# Altium PCB Goldstrike1_Rev01 2014 06 02.PcbDoc (part 4 of 5) (continued)
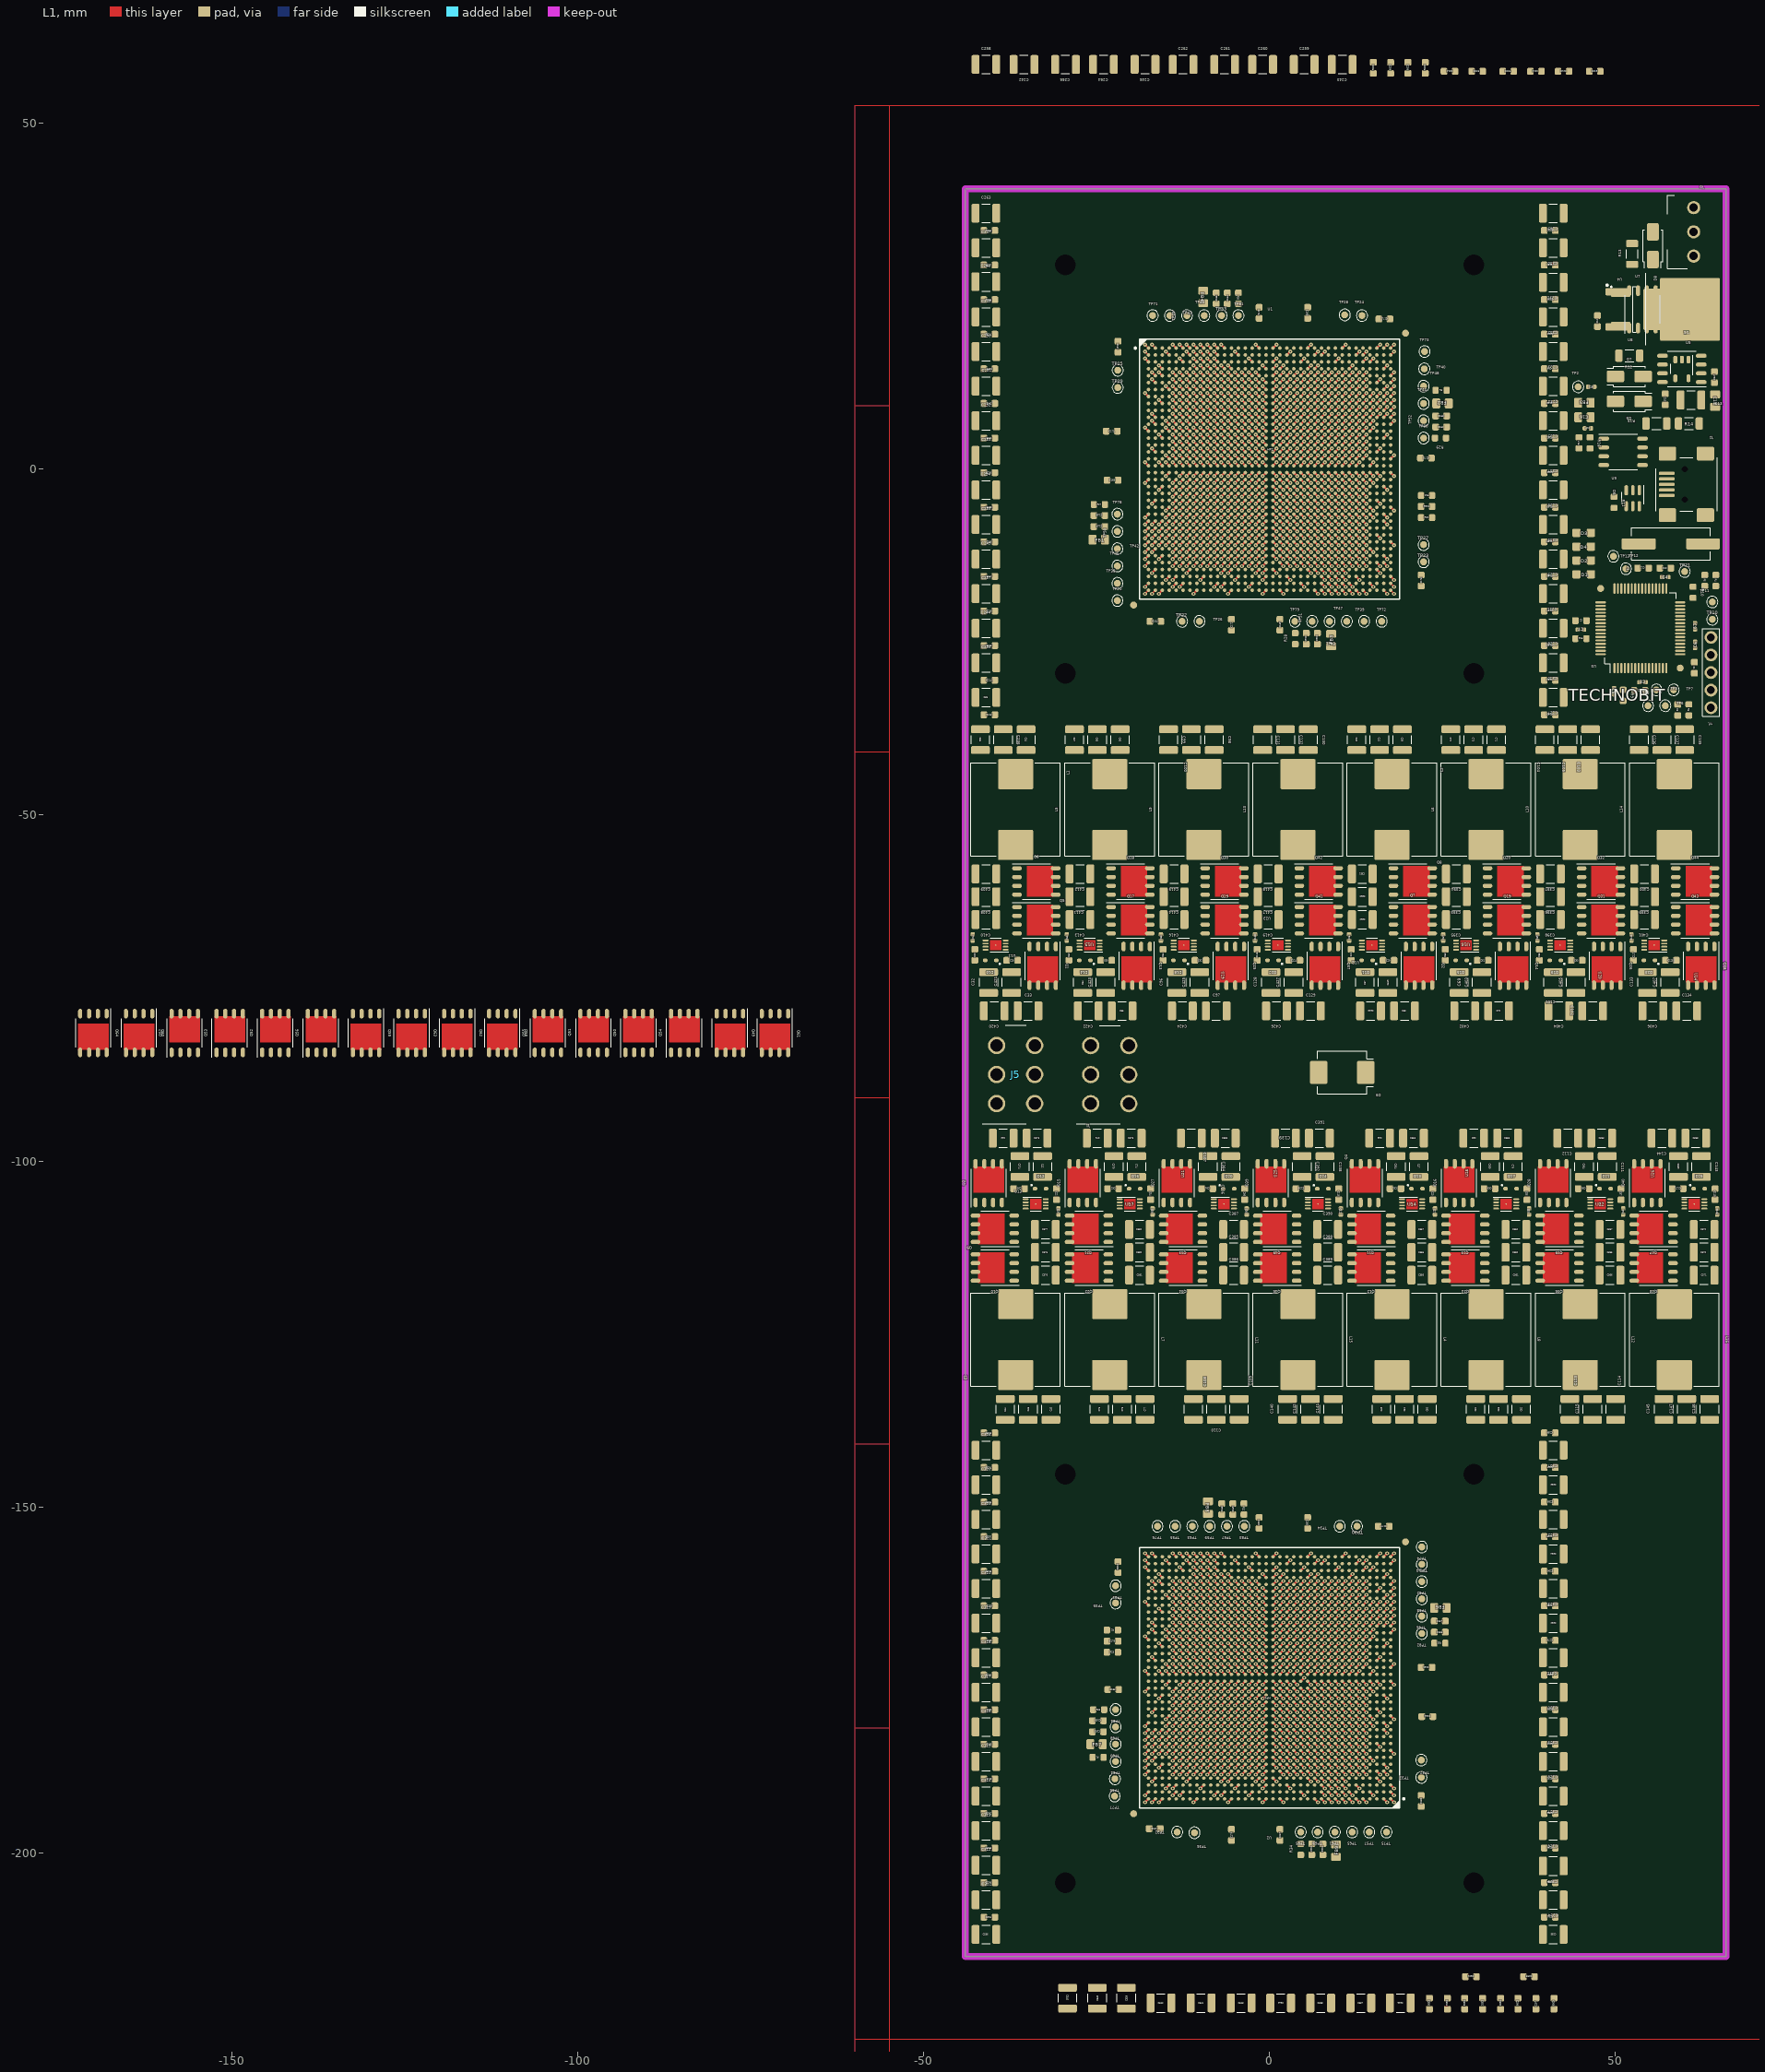
[diagram p0: L1 view]
## Nets (pads, with @x,y where several pads share a name; then routed paths per layer and width w, separated by ;. In a path a pad name is that pad's centre, name@x,y a point inside that pad or via, vN(x,y) a via of type N, cw(c..) or ccw(c..) an arc to the next point about the centre after c; other vN are vias at no path point) (continued)
  L1 w0.3: v1(-18,-192.7) U2.A36@-17.5,-192.2 ; v1(-18,-191.7) U2.B36@-17.5,-191.2 ; v1(-18,-183.7) U2.K36@-17.5,-183.2 ; v1(-18,-181.7) U2.M36@-17.5,-181.2 ; v1(-18,-173.7) U2.W36@-17.5,-174.2 ; v1(-18,-163.7) U2.AJ36@-17.5,-164.2 ; v1(-18,-157.7) U2.AR36@-17.5,-158.2 ; v1(-18,-156.7) U2.AT36@-17.5,-157.2 ; v1(-18,-9) U1.AG1@-17.5,-8.5 ; v1(-18,-7) U1.AE1@-17.5,-6.5 ; v1(-18,1) U1.V1@-17.5,0.5 ; v1(-18,11) U1.H1@-17.5,10.5 ; v1(-17,-192.7) U2.A35@-16.5,-192.2 ; v1(-17,-184.7) U2.J35@-16.5,-184.2 ; v1(-17,-182.7) U2.L35@-16.5,-182.2 ; v1(-17,-166.7) U2.AF35@-16.5,-167.2 ; v1(-17,-160.7) U2.AM35@-16.5,-161.2 ; v1(-17,-156.7) U2.AT35@-16.5,-157.2 ; v1(-17,-10) U1.AH2@-16.5,-9.5 ; v1(-17,-8) U1.AF2@-16.5,-7.5 ; v1(-17,8) U1.L2@-16.5,7.5 ; v1(-17,14) U1.E2@-16.5,13.5 ; v1(-16,-187.7) U2.F34@-15.5,-187.2 ; v1(-16,-177.7) U2.T34@-15.5,-177.2 ; v1(-16,-173.7) U2.W34@-15.5,-174.2 ; v1(-16,-169.7) U2.AC34@-15.5,-170.2 ; v1(-16,-159.7) U2.AN34@-15.5,-160.2 ; v1(-16,-13) U1.AL3@-15.5,-12.5 ; v1(-16,-3) U1.AA3@-15.5,-2.5 ; v1(-16,1) U1.V3@-15.5,0.5 ; v1(-16,5) U1.P3@-15.5,4.5 ; v1(-16,15) U1.D3@-15.5,14.5 ; v1(-15,-190.7) U2.C33@-14.5,-190.2 ; v1(-15,-180.7) U2.N33@-14.5,-180.2 ; v1(-15,-172.7) U2.Y33@-14.5,-173.2 ; v1(-15,-162.7) U2.AK33@-14.5,-163.2 ; v1(-15,-16) U1.AP4@-14.5,-15.5 ; v1(-15,-6) U1.AD4@-14.5,-5.5 ; v1(-15,2) U1.U4@-14.5,1.5 ; v1(-15,12) U1.G4@-14.5,11.5 ; v1(-14,-191.7) U2.B32@-13.5,-191.2 ; v1(-14,-187.7) U2.F32@-13.5,-187.2 ; v1(-14,-185.7) U2.H32@-13.5,-185.2 ; v1(-14,-183.7) U2.K32@-13.5,-183.2 ; v1(-14,-181.7) U2.M32@-13.5,-181.2 ; v1(-14,-179.7) U2.P32@-13.5,-179.2 ; v1(-14,-177.7) U2.T32@-13.5,-177.2 ; v1(-14,-176.7) U2.U32@-13.5,-176.2 ; v1(-14,-173.7) U2.W32@-13.5,-174.2 ; v1(-14,-171.7) U2.AA32@-13.5,-172.2 ; v1(-14,-169.7) U2.AC32@-13.5,-170.2 ; v1(-14,-167.7) U2.AE32@-13.5,-168.2 ; v1(-14,-165.7) U2.AG32@-13.5,-166.2 ; v1(-14,-163.7) U2.AJ32@-13.5,-164.2 ; v1(-14,-17) U1.AR5@-13.5,-16.5 ; v1(-14,-13) U1.AL5@-13.5,-12.5 ; v1(-14,-11) U1.AJ5@-13.5,-10.5 ; v1(-14,-9) U1.AG5@-13.5,-8.5 ; v1(-14,-7) U1.AE5@-13.5,-6.5 ; v1(-14,-5) U1.AC5@-13.5,-4.5 ; v1(-14,-3) U1.AA5@-13.5,-2.5 ; v1(-14,-2) U1.Y5@-13.5,-1.5 ; v1(-14,1) U1.V5@-13.5,0.5 ; v1(-14,3) U1.T5@-13.5,2.5 ; v1(-14,5) U1.P5@-13.5,4.5 ; v1(-14,7) U1.M5@-13.5,6.5 ; v1(-14,9) U1.K5@-13.5,8.5 ; v1(-14,11) U1.H5@-13.5,10.5 ; v1(-13,-186.7) U2.G31@-12.5,-186.2 ; v1(-13,-184.7) U2.J31@-12.5,-184.2 ; v1(-13,-182.7) U2.L31@-12.5,-182.2 ; v1(-13,-180.7) U2.N31@-12.5,-180.2 ; v1(-13,-178.7) U2.R31@-12.5,-178.2 ; v1(-13,-176.7) U2.U31@-12.5,-176.2 ; v1(-13,-172.7) U2.Y31@-12.5,-173.2 ; v1(-13,-170.7) U2.AB31@-12.5,-171.2 ; v1(-13,-168.7) U2.AD31@-12.5,-169.2 ; v1(-13,-166.7) U2.AF31@-12.5,-167.2 ; v1(-13,-164.7) U2.AH31@-12.5,-165.2 ; v1(-13,-162.7) U2.AK31@-12.5,-163.2 ; v1(-13,-160.7) U2.AM31@-12.5,-161.2 ; v1(-13,-158.7) U2.AP31@-12.5,-159.2 ; v1(-13,-12) U1.AK6@-12.5,-11.5 ; v1(-13,-10) U1.AH6@-12.5,-9.5 ; v1(-13,-8) U1.AF6@-12.5,-7.5 ; v1(-13,-6) U1.AD6@-12.5,-5.5 ; v1(-13,-4) U1.AB6@-12.5,-3.5 ; v1(-13,-2) U1.Y6@-12.5,-1.5 ; v1(-13,2) U1.U6@-12.5,1.5 ; v1(-13,4) U1.R6@-12.5,3.5 ; v1(-13,6) U1.N6@-12.5,5.5 ; v1(-13,8) U1.L6@-12.5,7.5 ; v1(-13,10) U1.J6@-12.5,9.5 ; v1(-13,12) U1.G6@-12.5,11.5 ; v1(-13,14) U1.E6@-12.5,13.5 ; v1(-13,16) U1.C6@-12.5,15.5 ; v1(-12,-189.7) U2.D30@-11.5,-189.2 ; v1(-12,-187.7) U2.F30@-11.5,-187.2 ; v1(-12,-185.7) U2.H30@-11.5,-185.2 ; v1(-12,-183.7) U2.K30@-11.5,-183.2 ; v1(-12,-181.7) U2.M30@-11.5,-181.2 ; v1(-12,-179.7) U2.P30@-11.5,-179.2 ; v1(-12,-177.7) U2.T30@-11.5,-177.2 ; v1(-12,-175.7) U2.V30@-11.5,-175.2 ; v1(-12,-173.7) U2.W30@-11.5,-174.2 ; v1(-12,-171.7) U2.AA30@-11.5,-172.2 ; v1(-12,-169.7) U2.AC30@-11.5,-170.2 ; v1(-12,-167.7) U2.AE30@-11.5,-168.2 ; v1(-12,-165.7) U2.AG30@-11.5,-166.2 ; v1(-12,-163.7) U2.AJ30@-11.5,-164.2 ; v1(-12,-161.7) U2.AL30@-11.5,-162.2 ; v1(-12,-15) U1.AN7@-11.5,-14.5 ; v1(-12,-13) U1.AL7@-11.5,-12.5 ; v1(-12,-11) U1.AJ7@-11.5,-10.5 ; v1(-12,-9) U1.AG7@-11.5,-8.5 ; v1(-12,-7) U1.AE7@-11.5,-6.5 ; v1(-12,-5) U1.AC7@-11.5,-4.5 ; v1(-12,-3) U1.AA7@-11.5,-2.5 ; v1(-12,-1) U1.W7@-11.5,-0.5 ; v1(-12,1) U1.V7@-11.5,0.5 ; v1(-12,3) U1.T7@-11.5,2.5 ; v1(-12,5) U1.P7@-11.5,4.5 ; v1(-12,7) U1.M7@-11.5,6.5 ; v1(-12,9) U1.K7@-11.5,8.5 ; v1(-12,11) U1.H7@-11.5,10.5 ; v1(-12,13) U1.F7@-11.5,12.5 ; v1(-11,-192.7) U2.A29@-10.5,-192.2 ; v1(-11,-188.7) U2.E29@-10.5,-188.2 ; v1(-11,-186.7) U2.G29@-10.5,-186.2 ; v1(-11,-184.7) U2.J29@-10.5,-184.2 ; v1(-11,-182.7) U2.L29@-10.5,-182.2 ; v1(-11,-180.7) U2.N29@-10.5,-180.2 ; v1(-11,-178.7) U2.R29@-10.5,-178.2 ; v1(-11,-176.7) U2.U29@-10.5,-176.2 ; v1(-11,-172.7) U2.Y29@-10.5,-173.2 ; v1(-11,-170.7) U2.AB29@-10.5,-171.2 ; v1(-11,-168.7) U2.AD29@-10.5,-169.2 ; v1(-11,-166.7) U2.AF29@-10.5,-167.2 ; v1(-11,-164.7) U2.AH29@-10.5,-165.2 ; v1(-11,-162.7) U2.AK29@-10.5,-163.2 ; v1(-11,-160.7) U2.AM29@-10.5,-161.2 ; v1(-11,-18) U1.AT8@-10.5,-17.5 ; v1(-11,-14) U1.AM8@-10.5,-13.5 ; v1(-11,-12) U1.AK8@-10.5,-11.5 ; v1(-11,-10) U1.AH8@-10.5,-9.5 ; v1(-11,-8) U1.AF8@-10.5,-7.5 ; v1(-11,-6) U1.AD8@-10.5,-5.5 ; v1(-11,-4) U1.AB8@-10.5,-3.5 ; v1(-11,-2) U1.Y8@-10.5,-1.5 ; v1(-11,2) U1.U8@-10.5,1.5 ; v1(-11,4) U1.R8@-10.5,3.5 ; v1(-11,6) U1.N8@-10.5,5.5 ; v1(-11,8) U1.L8@-10.5,7.5 ; v1(-11,10) U1.J8@-10.5,9.5 ; v1(-11,12) U1.G8@-10.5,11.5 ; v1(-11,14) U1.E8@-10.5,13.5 ; v1(-10,-187.7) U2.F28@-9.5,-187.2 ; v1(-10,-185.7) U2.H28@-9.5,-185.2 ; v1(-10,-183.7) U2.K28@-9.5,-183.2 ; v1(-10,-181.7) U2.M28@-9.5,-181.2 ; v1(-10,-179.7) U2.P28@-9.5,-179.2 ; v1(-10,-177.7) U2.T28@-9.5,-177.2 ; v1(-10,-175.7) U2.V28@-9.5,-175.2 ; v1(-10,-173.7) U2.W28@-9.5,-174.2 ; v1(-10,-171.7) U2.AA28@-9.5,-172.2 ; v1(-10,-169.7) U2.AC28@-9.5,-170.2 ; v1(-10,-167.7) U2.AE28@-9.5,-168.2 ; v1(-10,-165.7) U2.AG28@-9.5,-166.2 ; v1(-10,-163.7) U2.AJ28@-9.5,-164.2 ; v1(-10,-161.7) U2.AL28@-9.5,-162.2 ; v1(-10,-157.7) U2.AR28@-9.5,-158.2 ; v1(-10,-13) U1.AL9@-9.5,-12.5 ; v1(-10,-11) U1.AJ9@-9.5,-10.5 ; v1(-10,-9) U1.AG9@-9.5,-8.5 ; v1(-10,-7) U1.AE9@-9.5,-6.5 ; v1(-10,-5) U1.AC9@-9.5,-4.5 ; v1(-10,-3) U1.AA9@-9.5,-2.5 ; v1(-10,-1) U1.W9@-9.5,-0.5 ; v1(-10,1) U1.V9@-9.5,0.5 ; v1(-10,3) U1.T9@-9.5,2.5 ; v1(-10,5) U1.P9@-9.5,4.5 ; v1(-10,7) U1.M9@-9.5,6.5 ; v1(-10,9) U1.K9@-9.5,8.5 ; v1(-10,11) U1.H9@-9.5,10.5 ; v1(-10,13) U1.F9@-9.5,12.5 ; v1(-10,17) U1.B9@-9.5,16.5 ; v1(-9,-188.7) U2.E27@-8.5,-188.2 ; v1(-9,-186.7) U2.G27@-8.5,-186.2 ; v1(-9,-184.7) U2.J27@-8.5,-184.2 ; v1(-9,-182.7) U2.L27@-8.5,-182.2 ; v1(-9,-180.7) U2.N27@-8.5,-180.2 ; v1(-9,-178.7) U2.R27@-8.5,-178.2 ; v1(-9,-176.7) U2.U27@-8.5,-176.2 ; v1(-9,-172.7) U2.Y27@-8.5,-173.2 ; v1(-9,-170.7) U2.AB27@-8.5,-171.2 ; v1(-9,-168.7) U2.AD27@-8.5,-169.2 ; v1(-9,-166.7) U2.AF27@-8.5,-167.2 ; v1(-9,-164.7) U2.AH27@-8.5,-165.2 ; v1(-9,-162.7) U2.AK27@-8.5,-163.2 ; v1(-9,-160.7) U2.AM27@-8.5,-161.2 ; v1(-9,-156.7) U2.AT27@-8.5,-157.2 ; v1(-9,-14) U1.AM10@-8.5,-13.5 ; v1(-9,-12) U1.AK10@-8.5,-11.5 ; v1(-9,-10) U1.AH10@-8.5,-9.5 ; v1(-9,-8) U1.AF10@-8.5,-7.5 ; v1(-9,-6) U1.AD10@-8.5,-5.5 ; v1(-9,-4) U1.AB10@-8.5,-3.5 ; v1(-9,-2) U1.Y10@-8.5,-1.5 ; v1(-9,2) U1.U10@-8.5,1.5 ; v1(-9,4) U1.R10@-8.5,3.5 ; v1(-9,6) U1.N10@-8.5,5.5 ; v1(-9,8) U1.L10@-8.5,7.5 ; v1(-9,10) U1.J10@-8.5,9.5 ; v1(-9,12) U1.G10@-8.5,11.5 ; v1(-9,14) U1.E10@-8.5,13.5 ; v1(-9,18) U1.A10@-8.5,17.5 ; v1(-8,-191.7) U2.B26@-7.5,-191.2 ; v1(-8,-187.7) U2.F26@-7.5,-187.2 ; v1(-8,-185.7) U2.H26@-7.5,-185.2 ; v1(-8,-183.7) U2.K26@-7.5,-183.2 ; v1(-8,-181.7) U2.M26@-7.5,-181.2 ; v1(-8,-179.7) U2.P26@-7.5,-179.2 ; v1(-8,-177.7) U2.T26@-7.5,-177.2 ; v1(-8,-175.7) U2.V26@-7.5,-175.2 ; v1(-8,-173.7) U2.W26@-7.5,-174.2 ; v1(-8,-171.7) U2.AA26@-7.5,-172.2 ; v1(-8,-169.7) U2.AC26@-7.5,-170.2 ; v1(-8,-167.7) U2.AE26@-7.5,-168.2 ; v1(-8,-165.7) U2.AG26@-7.5,-166.2 ; v1(-8,-163.7) U2.AJ26@-7.5,-164.2 ; v1(-8,-161.7) U2.AL26@-7.5,-162.2 ; v1(-8,-157.7) U2.AR26@-7.5,-158.2 ; v1(-8,-17) U1.AR11@-7.5,-16.5 ; v1(-8,-13) U1.AL11@-7.5,-12.5 ; v1(-8,-11) U1.AJ11@-7.5,-10.5 ; v1(-8,-9) U1.AG11@-7.5,-8.5 ; v1(-8,-7) U1.AE11@-7.5,-6.5 ; v1(-8,-5) U1.AC11@-7.5,-4.5 ; v1(-8,-3) U1.AA11@-7.5,-2.5 ; v1(-8,-1) U1.W11@-7.5,-0.5 ; v1(-8,1) U1.V11@-7.5,0.5 ; v1(-8,3) U1.T11@-7.5,2.5 ; v1(-8,5) U1.P11@-7.5,4.5 ; v1(-8,7) U1.M11@-7.5,6.5 ; v1(-8,9) U1.K11@-7.5,8.5 ; v1(-8,11) U1.H11@-7.5,10.5 ; v1(-8,13) U1.F11@-7.5,12.5 ; v1(-8,17) U1.B11@-7.5,16.5 ; v1(-7,-188.7) U2.E25@-6.5,-188.2 ; v1(-7,-186.7) U2.G25@-6.5,-186.2 ; v1(-7,-184.7) U2.J25@-6.5,-184.2 ; v1(-7,-182.7) U2.L25@-6.5,-182.2 ; v1(-7,-180.7) U2.N25@-6.5,-180.2 ; v1(-7,-178.7) U2.R25@-6.5,-178.2 ; v1(-7,-176.7) U2.U25@-6.5,-176.2 ; v1(-7,-172.7) U2.Y25@-6.5,-173.2 ; v1(-7,-170.7) U2.AB25@-6.5,-171.2 ; v1(-7,-168.7) U2.AD25@-6.5,-169.2 ; v1(-7,-166.7) U2.AF25@-6.5,-167.2 ; v1(-7,-164.7) U2.AH25@-6.5,-165.2 ; v1(-7,-162.7) U2.AK25@-6.5,-163.2 ; v1(-7,-160.7) U2.AM25@-6.5,-161.2 ; v1(-7,-156.7) U2.AT25@-6.5,-157.2 ; v1(-7,-14) U1.AM12@-6.5,-13.5 ; v1(-7,-12) U1.AK12@-6.5,-11.5 ; v1(-7,-10) U1.AH12@-6.5,-9.5 ; v1(-7,-8) U1.AF12@-6.5,-7.5 ; v1(-7,-6) U1.AD12@-6.5,-5.5 ; v1(-7,-4) U1.AB12@-6.5,-3.5 ; v1(-7,-2) U1.Y12@-6.5,-1.5 ; v1(-7,2) U1.U12@-6.5,1.5 ; v1(-7,4) U1.R12@-6.5,3.5 ; v1(-7,6) U1.N12@-6.5,5.5 ; v1(-7,8) U1.L12@-6.5,7.5 ; v1(-7,10) U1.J12@-6.5,9.5 ; v1(-7,12) U1.G12@-6.5,11.5 ; v1(-7,14) U1.E12@-6.5,13.5 ; v1(-7,18) U1.A12@-6.5,17.5 ; v1(-6,-187.7) U2.F24@-5.5,-187.2 ; v1(-6,-185.7) U2.H24@-5.5,-185.2 ; v1(-6,-183.7) U2.K24@-5.5,-183.2 ; v1(-6,-181.7) U2.M24@-5.5,-181.2 ; v1(-6,-179.7) U2.P24@-5.5,-179.2 ; v1(-6,-177.7) U2.T24@-5.5,-177.2 ; v1(-6,-175.7) U2.V24@-5.5,-175.2 ; v1(-6,-173.7) U2.W24@-5.5,-174.2 ; v1(-6,-171.7) U2.AA24@-5.5,-172.2 ; v1(-6,-169.7) U2.AC24@-5.5,-170.2 ; v1(-6,-167.7) U2.AE24@-5.5,-168.2 ; v1(-6,-165.7) U2.AG24@-5.5,-166.2 ; v1(-6,-163.7) U2.AJ24@-5.5,-164.2 ; v1(-6,-161.7) U2.AL24@-5.5,-162.2 ; v1(-6,-159.7) U2.AN24@-5.5,-160.2 ; v1(-6,-13) U1.AL13@-5.5,-12.5 ; v1(-6,-11) U1.AJ13@-5.5,-10.5 ; v1(-6,-9) U1.AG13@-5.5,-8.5 ; v1(-6,-7) U1.AE13@-5.5,-6.5 ; v1(-6,-5) U1.AC13@-5.5,-4.5 ; v1(-6,-3) U1.AA13@-5.5,-2.5 ; v1(-6,-1) U1.W13@-5.5,-0.5 ; v1(-6,1) U1.V13@-5.5,0.5 ; v1(-6,3) U1.T13@-5.5,2.5 ; v1(-6,5) U1.P13@-5.5,4.5 ; v1(-6,7) U1.M13@-5.5,6.5 ; v1(-6,9) U1.K13@-5.5,8.5 ; v1(-6,11) U1.H13@-5.5,10.5 ; v1(-6,13) U1.F13@-5.5,12.5 ; v1(-6,15) U1.D13@-5.5,14.5 ; v1(-5,-190.7) U2.C23@-4.5,-190.2 ; v1(-5,-188.7) U2.E23@-4.5,-188.2 ; v1(-5,-186.7) U2.G23@-4.5,-186.2 ; v1(-5,-184.7) U2.J23@-4.5,-184.2 ; v1(-5,-182.7) U2.L23@-4.5,-182.2 ; v1(-5,-180.7) U2.N23@-4.5,-180.2 ; v1(-5,-178.7) U2.R23@-4.5,-178.2 ; v1(-5,-176.7) U2.U23@-4.5,-176.2 ; v1(-5,-172.7) U2.Y23@-4.5,-173.2 ; v1(-5,-170.7) U2.AB23@-4.5,-171.2 ; v1(-5,-168.7) U2.AD23@-4.5,-169.2 ; v1(-5,-166.7) U2.AF23@-4.5,-167.2 ; v1(-5,-164.7) U2.AH23@-4.5,-165.2 ; v1(-5,-162.7) U2.AK23@-4.5,-163.2 ; v1(-5,-160.7) U2.AM23@-4.5,-161.2 ; v1(-5,-16) U1.AP14@-4.5,-15.5 ; v1(-5,-14) U1.AM14@-4.5,-13.5 ; v1(-5,-12) U1.AK14@-4.5,-11.5 ; v1(-5,-10) U1.AH14@-4.5,-9.5 ; v1(-5,-8) U1.AF14@-4.5,-7.5 ; v1(-5,-6) U1.AD14@-4.5,-5.5 ; v1(-5,-4) U1.AB14@-4.5,-3.5 ; v1(-5,-2) U1.Y14@-4.5,-1.5 ; v1(-5,2) U1.U14@-4.5,1.5 ; v1(-5,4) U1.R14@-4.5,3.5 ; v1(-5,6) U1.N14@-4.5,5.5 ; v1(-5,8) U1.L14@-4.5,7.5 ; v1(-5,10) U1.J14@-4.5,9.5 ; v1(-5,12) U1.G14@-4.5,11.5 ; v1(-5,14) U1.E14@-4.5,13.5 ; v1(-4,-187.7) U2.F22@-3.5,-187.2 ; v1(-4,-185.7) U2.H22@-3.5,-185.2 ; v1(-4,-183.7) U2.K22@-3.5,-183.2 ; v1(-4,-181.7) U2.M22@-3.5,-181.2 ; v1(-4,-179.7) U2.P22@-3.5,-179.2 ; v1(-4,-177.7) U2.T22@-3.5,-177.2 ; v1(-4,-175.7) U2.V22@-3.5,-175.2 ; v1(-4,-173.7) U2.W22@-3.5,-174.2 ; v1(-4,-171.7) U2.AA22@-3.5,-172.2 ; v1(-4,-169.7) U2.AC22@-3.5,-170.2 ; v1(-4,-167.7) U2.AE22@-3.5,-168.2 ; v1(-4,-165.7) U2.AG22@-3.5,-166.2 ; v1(-4,-163.7) U2.AJ22@-3.5,-164.2 ; v1(-4,-161.7) U2.AL22@-3.5,-162.2 ; v1(-4,-13) U1.AL15@-3.5,-12.5 ; v1(-4,-11) U1.AJ15@-3.5,-10.5 ; v1(-4,-9) U1.AG15@-3.5,-8.5 ; v1(-4,-7) U1.AE15@-3.5,-6.5 ; v1(-4,-5) U1.AC15@-3.5,-4.5 ; v1(-4,-3) U1.AA15@-3.5,-2.5 ; v1(-4,-1) U1.W15@-3.5,-0.5 ; v1(-4,1) U1.V15@-3.5,0.5 ; v1(-4,3) U1.T15@-3.5,2.5 ; v1(-4,5) U1.P15@-3.5,4.5 ; v1(-4,7) U1.M15@-3.5,6.5 ; v1(-4,9) U1.K15@-3.5,8.5 ; v1(-4,11) U1.H15@-3.5,10.5 ; v1(-4,13) U1.F15@-3.5,12.5 ; v1(-3,-188.7) U2.E21@-2.5,-188.2 ; v1(-3,-186.7) U2.G21@-2.5,-186.2 ; v1(-3,-184.7) U2.J21@-2.5,-184.2 ; v1(-3,-182.7) U2.L21@-2.5,-182.2 ; v1(-3,-180.7) U2.N21@-2.5,-180.2 ; v1(-3,-178.7) U2.R21@-2.5,-178.2 ; v1(-3,-176.7) U2.U21@-2.5,-176.2 ; v1(-3,-172.7) U2.Y21@-2.5,-173.2 ; v1(-3,-170.7) U2.AB21@-2.5,-171.2 ; v1(-3,-168.7) U2.AD21@-2.5,-169.2 ; v1(-3,-166.7) U2.AF21@-2.5,-167.2 ; v1(-3,-164.7) U2.AH21@-2.5,-165.2 ; v1(-3,-162.7) U2.AK21@-2.5,-163.2 ; v1(-3,-160.7) U2.AM21@-2.5,-161.2 ; v1(-3,-158.7) U2.AP21@-2.5,-159.2 ; v1(-3,-14) U1.AM16@-2.5,-13.5 ; v1(-3,-12) U1.AK16@-2.5,-11.5 ; v1(-3,-10) U1.AH16@-2.5,-9.5 ; v1(-3,-8) U1.AF16@-2.5,-7.5 ; v1(-3,-6) U1.AD16@-2.5,-5.5 ; v1(-3,-4) U1.AB16@-2.5,-3.5 ; v1(-3,-2) U1.Y16@-2.5,-1.5 ; v1(-3,2) U1.U16@-2.5,1.5 ; v1(-3,4) U1.R16@-2.5,3.5 ; v1(-3,6) U1.N16@-2.5,5.5 ; v1(-3,8) U1.L16@-2.5,7.5 ; v1(-3,10) U1.J16@-2.5,9.5 ; v1(-3,12) U1.G16@-2.5,11.5 ; v1(-3,14) U1.E16@-2.5,13.5 ; v1(-3,16) U1.C16@-2.5,15.5 ; v1(-2,-189.7) U2.D20@-1.5,-189.2 ; v1(-2,-187.7) U2.F20@-1.5,-187.2 ; v1(-2,-185.7) U2.H20@-1.5,-185.2 ; v1(-2,-183.7) U2.K20@-1.5,-183.2 ; v1(-2,-181.7) U2.M20@-1.5,-181.2 ; v1(-2,-179.7) U2.P20@-1.5,-179.2 ; v1(-2,-177.7) U2.T20@-1.5,-177.2 ; v1(-2,-175.7) U2.V20@-1.5,-175.2 ; v1(-2,-173.7) U2.W20@-1.5,-174.2 ; v1(-2,-171.7) U2.AA20@-1.5,-172.2 ; v1(-2,-169.7) U2.AC20@-1.5,-170.2 ; v1(-2,-167.7) U2.AE20@-1.5,-168.2 ; v1(-2,-165.7) U2.AG20@-1.5,-166.2 ; v1(-2,-163.7) U2.AJ20@-1.5,-164.2 ; v1(-2,-161.7) U2.AL20@-1.5,-162.2 ; v1(-2,-160.7) U2.AM20@-1.5,-161.2 ; v1(-2,-15) U1.AN17@-1.5,-14.5 ; v1(-2,-13) U1.AL17@-1.5,-12.5 ; v1(-2,-11) U1.AJ17@-1.5,-10.5 ; v1(-2,-9) U1.AG17@-1.5,-8.5 ; v1(-2,-7) U1.AE17@-1.5,-6.5 ; v1(-2,-5) U1.AC17@-1.5,-4.5 ; v1(-2,-3) U1.AA17@-1.5,-2.5 ; v1(-2,-1) U1.W17@-1.5,-0.5 ; v1(-2,1) U1.V17@-1.5,0.5 ; v1(-2,3) U1.T17@-1.5,2.5 ; v1(-2,5) U1.P17@-1.5,4.5 ; v1(-2,7) U1.M17@-1.5,6.5 ; v1(-2,9) U1.K17@-1.5,8.5 ; v1(-2,11) U1.H17@-1.5,10.5 ; v1(-2,13) U1.F17@-1.5,12.5 ; v1(-2,14) U1.E17@-1.5,13.5 ; v1(-1,-192.7) U2.A19@-0.5,-192.2 ; v1(-1,-190.7) U2.C19@-0.5,-190.2 ; v1(-1,-188.7) U2.E19@-0.5,-188.2 ; v1(-1,-186.7) U2.G19@-0.5,-186.2 ; v1(-1,-184.7) U2.J19@-0.5,-184.2 ; v1(-1,-182.7) U2.L19@-0.5,-182.2 ; v1(-1,-180.7) U2.N19@-0.5,-180.2 ; v1(-1,-178.7) U2.R19@-0.5,-178.2 ; v1(-1,-176.7) U2.U19@-0.5,-176.2 ; v1(-1,-172.7) U2.Y19@-0.5,-173.2 ; v1(-1,-170.7) U2.AB19@-0.5,-171.2 ; v1(-1,-168.7) U2.AD19@-0.5,-169.2 ; v1(-1,-166.7) U2.AF19@-0.5,-167.2 ; v1(-1,-164.7) U2.AH19@-0.5,-165.2 ; v1(-1,-162.7) U2.AK19@-0.5,-163.2 ; v1(-1,-18) U1.AT18@-0.5,-17.5 ; v1(-1,-16) U1.AP18@-0.5,-15.5 ; v1(-1,-14) U1.AM18@-0.5,-13.5 ; v1(-1,-12) U1.AK18@-0.5,-11.5 ; v1(-1,-10) U1.AH18@-0.5,-9.5 ; v1(-1,-8) U1.AF18@-0.5,-7.5 ; v1(-1,-6) U1.AD18@-0.5,-5.5 ; v1(-1,-4) U1.AB18@-0.5,-3.5 ; v1(-1,-2) U1.Y18@-0.5,-1.5 ; v1(-1,2) U1.U18@-0.5,1.5 ; v1(-1,4) U1.R18@-0.5,3.5 ; v1(-1,6) U1.N18@-0.5,5.5 ; v1(-1,8) U1.L18@-0.5,7.5 ; v1(-1,10) U1.J18@-0.5,9.5 ; v1(-1,12) U1.G18@-0.5,11.5 ; U2.G18@0.5,-186.2 v1(1,-186.7) ; U2.J18@0.5,-184.2 v1(1,-184.7) ; U2.L18@0.5,-182.2 v1(1,-182.7) ; U2.N18@0.5,-180.2 v1(1,-180.7) ; U2.R18@0.5,-178.2 v1(1,-178.7) ; U2.U18@0.5,-176.2 v1(1,-176.7) ; U2.Y18@0.5,-173.2 v1(1,-172.7) ; U2.AB18@0.5,-171.2 v1(1,-170.7) ; U2.AD18@0.5,-169.2 v1(1,-168.7) ; U2.AF18@0.5,-167.2 v1(1,-166.7) ; U2.AH18@0.5,-165.2 v1(1,-164.7) ; U2.AK18@0.5,-163.2 v1(1,-162.7) ; U2.AM18@0.5,-161.2 v1(1,-160.7) ; U2.AP18@0.5,-159.2 v1(1,-158.7) ; U2.AT18@0.5,-157.2 v1(1,-156.7) ; U1.AK19@0.5,-11.5 v1(1,-12) ; U1.AH19@0.5,-9.5 v1(1,-10) ; U1.AF19@0.5,-7.5 v1(1,-8) ; U1.AD19@0.5,-5.5 v1(1,-6) ; U1.AB19@0.5,-3.5 v1(1,-4) ; U1.Y19@0.5,-1.5 v1(1,-2) ; U1.U19@0.5,1.5 v1(1,2) ; U1.R19@0.5,3.5 v1(1,4) ; U1.N19@0.5,5.5 v1(1,6) ; U1.L19@0.5,7.5 v1(1,8) ; U1.J19@0.5,9.5 v1(1,10) ; U1.G19@0.5,11.5 v1(1,12) ; U1.E19@0.5,13.5 v1(1,14) ; U1.C19@0.5,15.5 v1(1,16) ; U1.A19@0.5,17.5 v1(1,18) ; U2.E17@1.5,-188.2 v1(2,-188.7) ; U2.F17@1.5,-187.2 v1(2,-187.7) ; U2.H17@1.5,-185.2 v1(2,-185.7) ; U2.K17@1.5,-183.2 v1(2,-183.7) ; U2.M17@1.5,-181.2 v1(2,-181.7) ; U2.P17@1.5,-179.2 v1(2,-179.7) ; U2.T17@1.5,-177.2 v1(2,-177.7) ; U2.V17@1.5,-175.2 v1(2,-175.7) ; U2.W17@1.5,-174.2 v1(2,-173.7) ; U2.AA17@1.5,-172.2 v1(2,-171.7) ; U2.AC17@1.5,-170.2 v1(2,-169.7) ; U2.AE17@1.5,-168.2 v1(2,-167.7) ; U2.AG17@1.5,-166.2 v1(2,-165.7) ; U2.AJ17@1.5,-164.2 v1(2,-163.7) ; U2.AL17@1.5,-162.2 v1(2,-161.7) ; U2.AN17@1.5,-160.2 v1(2,-159.7) ; U1.AM20@1.5,-13.5 v1(2,-14) ; U1.AL20@1.5,-12.5 v1(2,-13) ; U1.AJ20@1.5,-10.5 v1(2,-11) ; U1.AG20@1.5,-8.5 v1(2,-9) ; U1.AE20@1.5,-6.5 v1(2,-7) ; U1.AC20@1.5,-4.5 v1(2,-5) ; U1.AA20@1.5,-2.5 v1(2,-3) ; U1.W20@1.5,-0.5 v1(2,-1) ; U1.V20@1.5,0.5 v1(2,1) ; U1.T20@1.5,2.5 v1(2,3) ; U1.P20@1.5,4.5 v1(2,5) ; U1.M20@1.5,6.5 v1(2,7) ; U1.K20@1.5,8.5 v1(2,9) ; U1.H20@1.5,10.5 v1(2,11) ; U1.F20@1.5,12.5 v1(2,13) ; U1.D20@1.5,14.5 v1(2,15) ; U2.C16@2.5,-190.2 v1(3,-190.7) ; U2.E16@2.5,-188.2 v1(3,-188.7) ; U2.G16@2.5,-186.2 v1(3,-186.7) ; U2.J16@2.5,-184.2 v1(3,-184.7) ; U2.L16@2.5,-182.2 v1(3,-182.7) ; U2.N16@2.5,-180.2 v1(3,-180.7) ; U2.R16@2.5,-178.2 v1(3,-178.7) ; U2.U16@2.5,-176.2 v1(3,-176.7) ; U2.Y16@2.5,-173.2 v1(3,-172.7) ; U2.AB16@2.5,-171.2 v1(3,-170.7) ; U2.AD16@2.5,-169.2 v1(3,-168.7) ; U2.AF16@2.5,-167.2 v1(3,-166.7) ; U2.AH16@2.5,-165.2 v1(3,-164.7) ; U2.AK16@2.5,-163.2 v1(3,-162.7) ; U2.AM16@2.5,-161.2 v1(3,-160.7) ; U1.AP21@2.5,-15.5 v1(3,-16) ; U1.AM21@2.5,-13.5 v1(3,-14) ; U1.AK21@2.5,-11.5 v1(3,-12) ; U1.AH21@2.5,-9.5 v1(3,-10) ; U1.AF21@2.5,-7.5 v1(3,-8) ; U1.AD21@2.5,-5.5 v1(3,-6) ; U1.AB21@2.5,-3.5 v1(3,-4) ; U1.Y21@2.5,-1.5 v1(3,-2) ; U1.U21@2.5,1.5 v1(3,2) ; U1.R21@2.5,3.5 v1(3,4) ; U1.N21@2.5,5.5 v1(3,6) ; U1.L21@2.5,7.5 v1(3,8) ; U1.J21@2.5,9.5 v1(3,10) ; U1.G21@2.5,11.5 v1(3,12) ; U1.E21@2.5,13.5 v1(3,14) ; U2.F15@3.5,-187.2 v1(4,-187.7) ; U2.H15@3.5,-185.2 v1(4,-185.7) ; U2.K15@3.5,-183.2 v1(4,-183.7) ; U2.M15@3.5,-181.2 v1(4,-181.7) ; U2.P15@3.5,-179.2 v1(4,-179.7) ; U2.T15@3.5,-177.2 v1(4,-177.7) ; U2.V15@3.5,-175.2 v1(4,-175.7) ; U2.W15@3.5,-174.2 v1(4,-173.7) ; U2.AA15@3.5,-172.2 v1(4,-171.7) ; U2.AC15@3.5,-170.2 v1(4,-169.7) ; U2.AE15@3.5,-168.2 v1(4,-167.7) ; U2.AG15@3.5,-166.2 v1(4,-165.7) ; U2.AJ15@3.5,-164.2 v1(4,-163.7) ; U2.AL15@3.5,-162.2 v1(4,-161.7) ; U1.AL22@3.5,-12.5 v1(4,-13) ; U1.AJ22@3.5,-10.5 v1(4,-11) ; U1.AG22@3.5,-8.5 v1(4,-9) ; U1.AE22@3.5,-6.5 v1(4,-7) ; U1.AC22@3.5,-4.5 v1(4,-5) ; U1.AA22@3.5,-2.5 v1(4,-3) ; U1.W22@3.5,-0.5 v1(4,-1) ; U1.V22@3.5,0.5 v1(4,1) ; U1.T22@3.5,2.5 v1(4,3) ; U1.P22@3.5,4.5 v1(4,5) ; U1.M22@3.5,6.5 v1(4,7) ; U1.K22@3.5,8.5 v1(4,9) ; U1.H22@3.5,10.5 v1(4,11) ; U1.F22@3.5,12.5 v1(4,13) ; U2.E14@4.5,-188.2 v1(5,-188.7) ; U2.G14@4.5,-186.2 v1(5,-186.7) ; U2.J14@4.5,-184.2 v1(5,-184.7) ; U2.L14@4.5,-182.2 v1(5,-182.7) ; U2.N14@4.5,-180.2 v1(5,-180.7) ; U2.R14@4.5,-178.2 v1(5,-178.7) ; U2.U14@4.5,-176.2 v1(5,-176.7) ; U2.Y14@4.5,-173.2 v1(5,-172.7) ; U2.AB14@4.5,-171.2 v1(5,-170.7) ; U2.AD14@4.5,-169.2 v1(5,-168.7) ; U2.AF14@4.5,-167.2 v1(5,-166.7) ; U2.AH14@4.5,-165.2 v1(5,-164.7) ; U2.AK14@4.5,-163.2 v1(5,-162.7) ; U2.AM14@4.5,-161.2 v1(5,-160.7) ; U2.AP14@4.5,-159.2 v1(5,-158.7) ; U1.AM23@4.5,-13.5 v1(5,-14) ; U1.AK23@4.5,-11.5 v1(5,-12) ; U1.AH23@4.5,-9.5 v1(5,-10) ; U1.AF23@4.5,-7.5 v1(5,-8) ; U1.AD23@4.5,-5.5 v1(5,-6) ; U1.AB23@4.5,-3.5 v1(5,-4) ; U1.Y23@4.5,-1.5 v1(5,-2) ; U1.U23@4.5,1.5 v1(5,2) ; U1.R23@4.5,3.5 v1(5,4) ; U1.N23@4.5,5.5 v1(5,6) ; U1.L23@4.5,7.5 v1(5,8) ; U1.J23@4.5,9.5 v1(5,10) ; U1.G23@4.5,11.5 v1(5,12) ; U1.E23@4.5,13.5 v1(5,14) ; U1.C23@4.5,15.5 v1(5,16) ; U2.D13@5.5,-189.2 v1(6,-189.7) ; U2.F13@5.5,-187.2 v1(6,-187.7) ; U2.H13@5.5,-185.2 v1(6,-185.7) ; U2.K13@5.5,-183.2 v1(6,-183.7) ; U2.M13@5.5,-181.2 v1(6,-181.7) ; U2.P13@5.5,-179.2 v1(6,-179.7) ; U2.T13@5.5,-177.2 v1(6,-177.7) ; U2.V13@5.5,-175.2 v1(6,-175.7) ; U2.W13@5.5,-174.2 v1(6,-173.7) ; U2.AA13@5.5,-172.2 v1(6,-171.7) ; U2.AC13@5.5,-170.2 v1(6,-169.7) ; U2.AE13@5.5,-168.2